# Altium PCB MainBoard.PcbDoc (part 2 of 2)
Units mm, origin at the board's own origin, x right, y up, seen from the top; angles counter-clockwise.
Board outline 160 x 80 mm, 2 copper layers (Top Layer, Bottom Layer); 152 components, 133 nets, 507 pads, 88 vias.
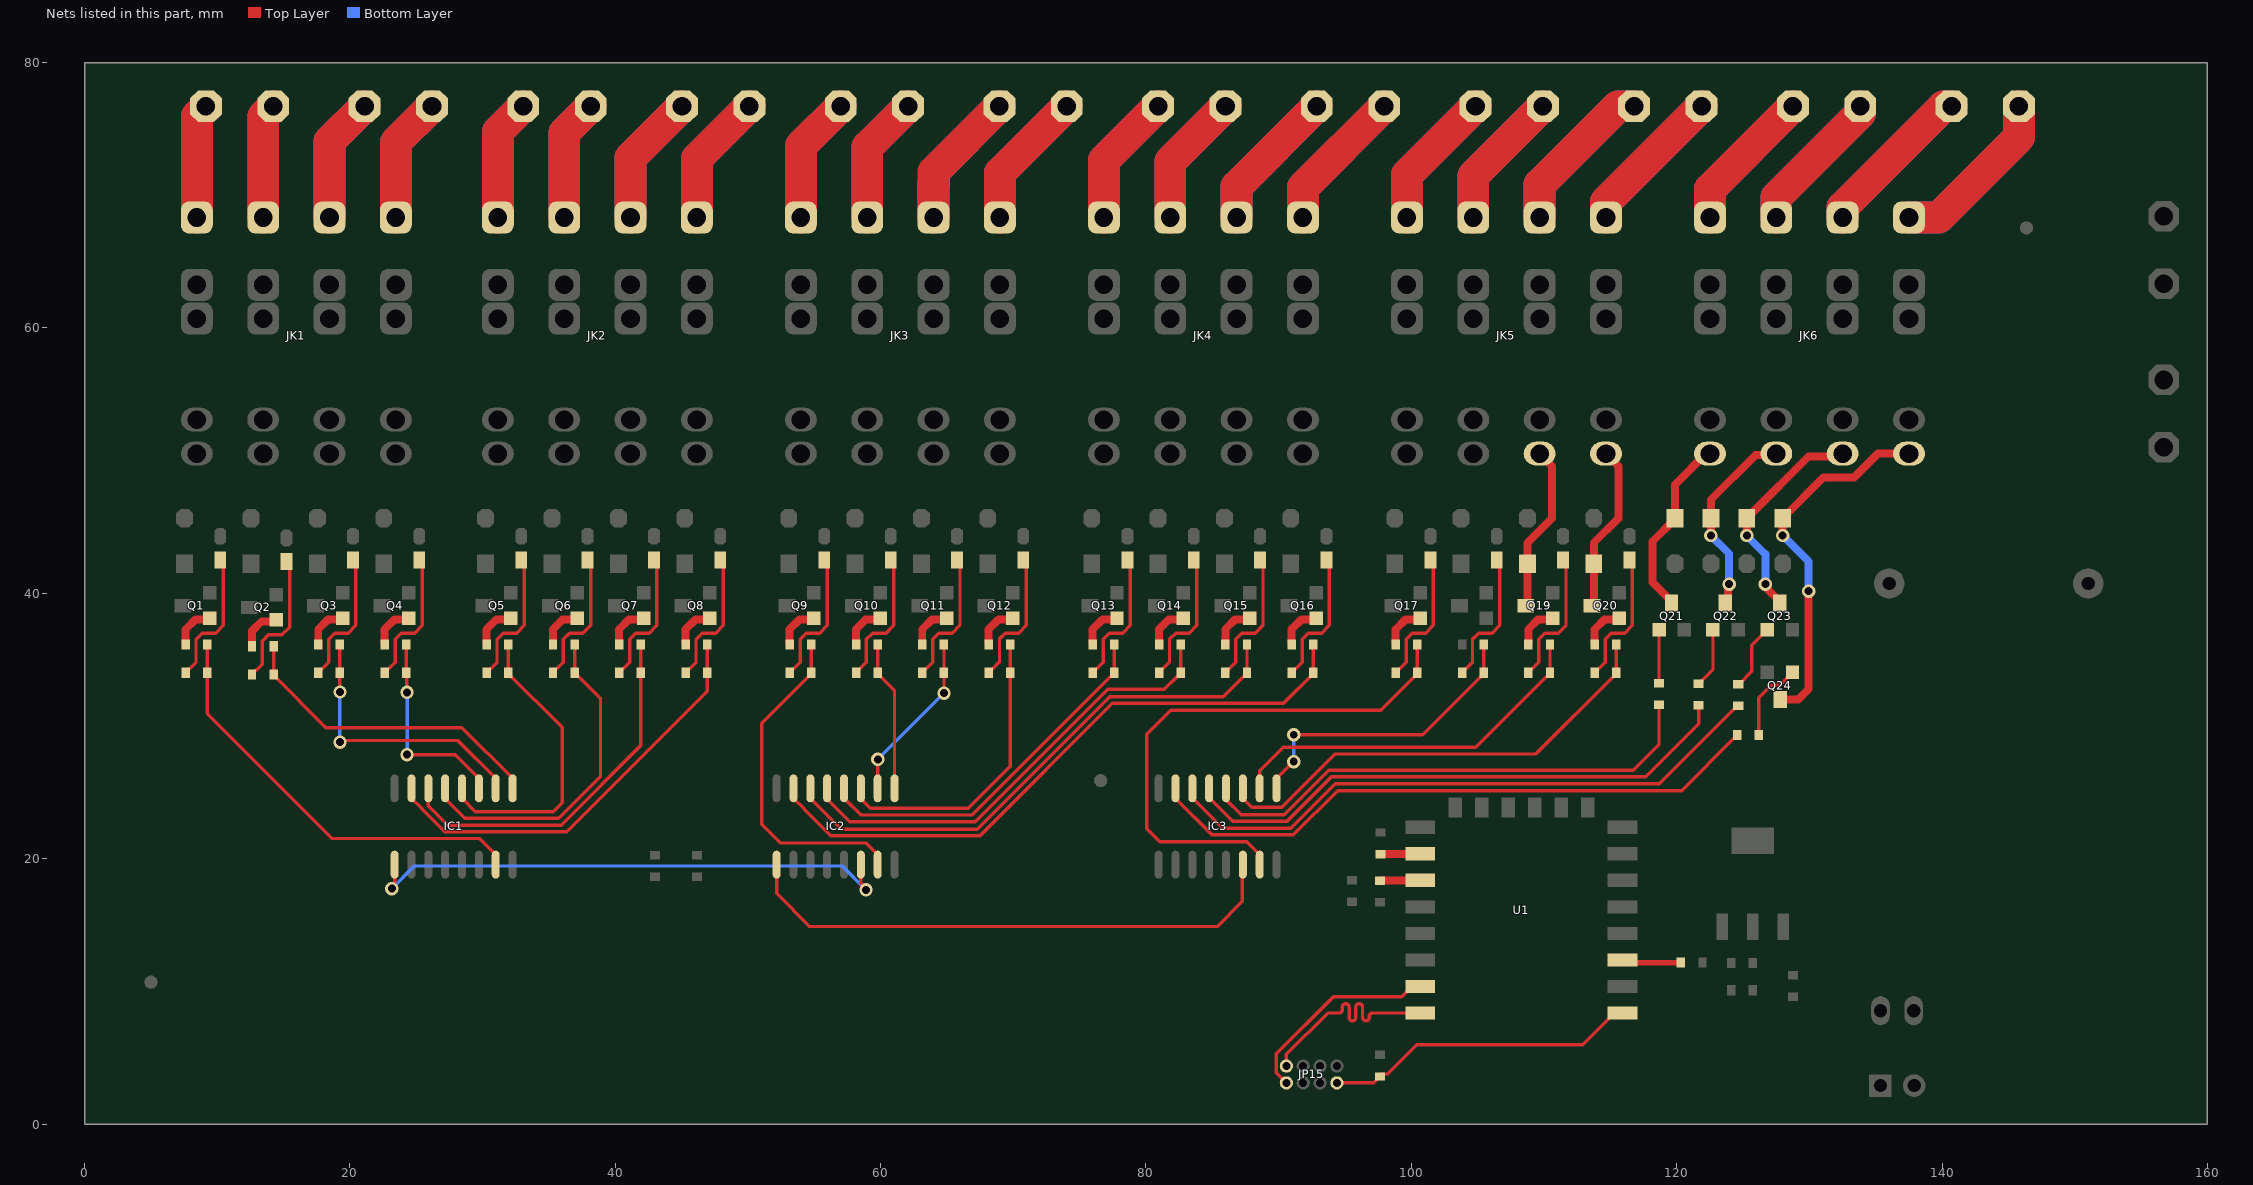
[diagram p2: the nets of this part, all layers, seen from the top]

## Via types
v1: diameter 1, hole 0.6, Top Layer to Bottom Layer, tented both sides, 68 vias
v2: diameter 1.27, hole 0.8, Top Layer to Bottom Layer, tented both sides, 17 vias
v3: diameter 3.175, hole 3.175, Top Layer to Bottom Layer, tented both sides, 2 vias
v4: diameter 2, hole 1, Top Layer to Bottom Layer, tented both sides, 1 vias

## Nets (pads, with @x,y where several pads share a name; then routed paths per layer and width w, separated by ;. In a path a pad name is that pad's centre, name@x,y a point inside that pad or via, vN(x,y) a via of type N, cw(c..) or ccw(c..) an arc to the next point about the centre after c; other vN are vias at no path point) (continued)
NetD19_1: D19.1 JK5.CN2_1 Q19.2 | length 12.2
  Top Layer w0.6: Q19.2@108.75,39.438 D19.1@108.75,42.227 108.75,43.802 110.604,45.657 110.604,49.575 JK5.CN2_1@109.668,50.511
NetD20_1: D20.1 JK5.CN1_1 Q20.2 | length 12.2
  Top Layer w0.6: Q20.2@113.75,39.438 D20.1@113.75,42.227 113.75,43.802 115.604,45.657 115.604,49.575 JK5.CN1_1@114.668,50.511
NetD21_1: D21.1 JK6.CN4_1 Q21.2 | length 13.8
  Top Layer w0.254: Q21.2@119.607,39.268 Q21.2@119.607,39.395 ; D21.1@119.863,45.593 D21.1@119.863,45.657 ; JK6.CN4_1@122.208,50.526 JK6.CN4_1@122.508,50.526
  Top Layer w0.6: Q21.2@119.607,39.395 118.159,40.843 118.159,43.89 D21.1@119.863,45.593 ; D21.1@119.863,45.657 119.863,48.181 JK6.CN4_1@122.208,50.526
NetD22_1: D22.1 JK6.CN3_1 Q22.2 | length 14.9
  Top Layer w0.6: v1(122.572,44.359) D22.1@122.572,45.657 122.572,47.045 125.958,50.431 127.413,50.431 JK6.CN3_1@127.508,50.526 ; Q22.2@123.612,39.268 123.875,39.532 123.875,40.614 v1(123.952,40.691)
  Bottom Layer w0.6: v1(122.572,44.359) 123.952,42.978 v1(123.952,40.691)
NetD23_1: D23.1 JK6.CN2_1 Q23.2 | length 16.7
  Top Layer w0.6: v1(125.281,44.359) D23.1@125.281,45.657 125.281,45.72 125.616,46.055 125.68,46.055 129.921,50.296 132.278,50.296 JK6.CN2_1@132.508,50.526 ; v1(126.677,40.691) 126.753,40.614 126.753,40.404 127.762,39.395 Q23.2@127.762,39.268
  Bottom Layer w0.6: v1@125.281,44.342 126.677,42.947 v1(126.677,40.691)
NetD24_1: D24.1 JK6.CN1_1 Q24.2 | length 27.7
  Top Layer w0.6: Q24.2@127.787,32.004 129.156,32.004 129.946,32.794 v1(129.946,40.157) ; v1(127.991,44.359) D24.1@127.991,45.657 131.051,48.717 133.353,48.717 135.161,50.526 JK6.CN1_1@137.508,50.526
  Bottom Layer w0.6: v1(127.991,44.359) 129.946,42.403 v1(129.946,40.157)
NetIC1_1: IC1.1 R8.1 R9.1 | length 24.2
  Top Layer w0.254: R8.1@14.246,36.009 R9.1@14.246,33.875 14.246,33.812 18.189,29.868 28.439,29.868 32.258,26.048 IC1.1@32.258,25.298
NetIC1_2: IC1.2 R10.1 R11.1 | length 21.8
  Top Layer w0.254: v1(19.246,28.778) 19.373,28.905 28.131,28.905 30.988,26.048 IC1.2@30.988,25.298 IC1.2@30.988,24.548 ; v1(19.246,32.564) R11.1@19.246,34.011 R10.1@19.246,36.144
  Bottom Layer w0.254: v1(19.246,28.778) v1(19.246,32.564)
NetIC1_3: IC1.3 R12.1 R13.1 | length 15.2
  Top Layer w0.254: R12.1@24.246,36.144 R13.1@24.246,34.011 24.272,33.984 24.272,32.564 v1(24.299,32.537) ; v1(24.308,27.838) 27.928,27.838 29.718,26.048 IC1.3@29.718,25.298
  Bottom Layer w0.254: v1(24.308,27.838) v1@24.308,32.537
NetIC1_4: IC1.4 R14.1 R15.1 | length 22.6
  Top Layer w0.254: IC1.4@28.448,25.298 28.448,24.548 29.451,23.546 35.322,23.546 35.992,24.216 35.992,29.887 31.932,33.947 R15.1@31.932,34.011 R14.1@31.932,36.144
NetIC1_5: IC1.5 R16.1 R17.1 | length 25
  Top Layer w0.254: IC1.5@27.178,25.298 27.178,24.517 28.657,23.038 35.723,23.038 38.887,26.202 38.887,32.055 R17.1@36.932,34.011 R16.1@36.932,36.009
NetIC1_6: IC1.6 R18.1 R19.1 | length 28
  Top Layer w0.254: IC1.6@25.908,25.298 25.908,23.978 27.357,22.53 35.934,22.53 41.932,28.528 R19.1@41.932,34.011 R18.1@41.932,36.144
NetIC1_7: IC1.7 R20.1 R21.1 | length 32
  Top Layer w0.254: IC1.7@24.638,25.298 24.638,24.548 25.4,23.786 25.4,23.768 27.146,22.022 36.347,22.022 46.932,32.606 R21.1@46.932,34.011 R20.1@46.932,36.144
NetIC1_9: IC1.9 IC2.14 | length 40.7
  Top Layer w0.254: v1@23.368,18.05 IC1.9@23.368,19.548 ; IC2.14@58.509,19.548 58.509,18.146 58.894,17.762 v1(58.894,17.653)
  Bottom Layer w0.254: v1(23.156,17.74) 24.861,19.446 57.101,19.446 v1(58.894,17.653)
NetIC1_15: IC1.15 R6.1 R7.1 | length 32.1
  Top Layer w0.254: R6.1@9.246,36.144 R7.1@9.246,34.011 9.246,30.937 18.669,21.514 29.773,21.514 30.988,20.298 IC1.15@30.988,19.548
NetIC2_1: IC2.1 R24.1 R25.1 | length 11.4
  Top Layer w0.254: R24.1@59.772,36.144 R25.1@59.772,34.011 59.772,33.947 61.049,32.67 IC2.1@61.049,25.298
NetIC2_2: IC2.2 R26.1 R27.1 | length 12.9
  Top Layer w0.254: IC2.2@59.779,25.298 59.785,25.305 59.785,27.476 v1(59.792,27.483) ; v1(64.772,32.474) R27.1@64.772,34.011 R26.1@64.772,36.144
  Bottom Layer w0.254: v1(59.792,27.483) 59.792,27.494 v1(64.772,32.474)
NetIC2_3: IC2.3 R28.1 R29.1 | length 22.8
  Top Layer w0.254: IC2.3@58.509,25.298 58.509,24.524 59.233,23.8 66.599,23.8 69.772,26.973 R29.1@69.772,34.011 R28.1@69.772,36.144
NetIC2_4: IC2.4 R30.1 R31.1 | length 28.3
  Top Layer w0.254: IC2.4@57.239,25.298 57.239,24.548 58.495,23.292 66.893,23.292 77.358,33.757 77.421,33.757 77.612,33.947 R31.1@77.612,34.011 R30.1@77.612,36.144
NetIC2_5: IC2.5 R32.1 R33.1 | length 35
  Top Layer w0.254: IC2.5@55.969,25.298 55.969,24.493 57.679,22.784 67.118,22.784 77.1,32.766 81.384,32.766 82.375,33.757 82.421,33.757 82.612,33.947 R33.1@82.612,34.011 R32.1@82.612,36.144
NetIC2_6: IC2.6 R34.1 R35.1 | length 41.7
  Top Layer w0.254: IC2.6@54.699,25.298 54.699,24.548 57.022,22.225 67.277,22.225 77.26,32.207 85.808,32.207 87.358,33.757 87.421,33.757 87.612,33.947 R35.1@87.612,34.011 R34.1@87.612,36.144
NetIC2_7: IC2.7 R36.1 R37.1 | length 48.4
  Top Layer w0.254: IC2.7@53.429,25.298 53.429,24.548 54.224,23.753 54.224,23.735 56.242,21.717 67.488,21.717 77.47,31.699 90.364,31.699 92.612,33.947 R37.1@92.612,33.986 ; R37.1@92.612,34.011 R36.1@92.612,36.144
NetIC2_9: IC2.9 IC3.14 | length 41.9
  Top Layer w0.254: IC2.9@52.159,19.548 52.159,17.386 54.661,14.884 85.357,14.884 87.249,16.776 87.249,19.498 IC3.14@87.3,19.548
NetIC2_15: IC2.15 R22.1 R23.1 | length 25.5
  Top Layer w0.254: R22.1@54.772,36.144 R23.1@54.772,34.011 54.772,33.947 51.029,30.204 51.029,22.598 52.443,21.184 58.894,21.184 59.779,20.298 IC2.15@59.779,19.548
NetIC3_1: IC3.1 R40.1 R41.1 | length 22.9
  Top Layer w0.254: IC3.1@89.84,25.298 89.84,26.048 91.096,27.305 v1(91.135,27.305) ; v1(91.135,29.337) 100.841,29.337 R41.1@105.452,33.947 ; R41.1@105.452,34.011 R41.1@105.452,33.947 ; R40.1@105.452,36.009 R41.1@105.452,33.947
  Bottom Layer w0.254: v1(91.135,27.305) v1(91.135,29.337)
NetIC3_2: IC3.2 R42.1 R43.1 | length 28.4
  Top Layer w0.254: IC3.2@88.57,25.298 88.57,26.619 90.348,28.397 104.838,28.397 110.198,33.757 110.261,33.757 110.452,33.947 R43.1@110.452,34.011 R42.1@110.452,36.144
NetIC3_3: IC3.3 R44.1 R45.1 | length 35.6
  Top Layer w0.254: IC3.3@87.3,25.298 87.3,24.548 87.981,23.867 90.249,23.867 94.27,27.889 109.394,27.889 115.452,33.947 R45.1@115.452,34.011 R44.1@115.452,36.144
NetIC3_4: IC3.4 R46.1 | length 39.1
  Top Layer w0.254: IC3.4@86.03,25.298 86.03,24.455 87.167,23.317 90.417,23.317 93.771,26.672 116.715,26.672 118.667,28.624 R46.1@118.667,31.598
NetIC3_5: IC3.5 R48.1 | length 42.8
  Top Layer w0.254: IC3.5@84.76,25.298 84.76,24.582 86.533,22.809 90.627,22.809 93.982,26.164 117.655,26.164 121.655,30.164 R48.1@121.655,31.572
NetIC3_6: IC3.6 R50.1 | length 46.6
  Top Layer w0.254: IC3.6@83.49,25.298 83.49,24.582 85.771,22.301 90.899,22.301 94.254,25.656 118.7,25.656 124.578,31.534 R50.1@124.642,31.534
NetIC3_7: IC3.7 R52.1 | length 47.4
  Top Layer w0.254: IC3.7@82.22,25.298 82.22,24.548 84.975,21.793 91.11,21.793 94.437,25.121 120.374,25.121 124.311,29.058 124.375,29.058 124.565,29.248 R52.1@124.565,29.312
NetIC3_15: IC3.15 R38.1 R39.1 | length 41.7
  Top Layer w0.254: IC3.15@88.57,19.548 88.57,20.298 87.583,21.285 81.033,21.285 80.061,22.257 80.061,29.388 81.864,31.191 97.696,31.191 100.452,33.947 R39.1@100.452,34.011 R38.1@100.452,36.144
NetJK1_CN1_3: JK1.CN1_3 JP4.1 | length 19
  Top Layer w2.4: JK1.CN1_3@23.462,68.326 23.462,73.985 JP4.1@26.185,76.708
  Bottom Layer w2.4: JK1.CN1_3@23.462,68.326 23.462,73.985 JP4.1@26.185,76.708
NetJK1_CN2_3: JK1.CN2_3 JP4.2 | length 19
  Top Layer w2.4: JK1.CN2_3@18.462,68.326 18.462,74.065 JP4.2@21.105,76.708
  Bottom Layer w2.4: JK1.CN2_3@18.462,68.326 18.462,74.065 JP4.2@21.105,76.708
NetJK1_CN3_3: JK1.CN3_3 JP3.1 | length 17.4
  Top Layer w2.4: JK1.CN3_3@13.462,68.326 13.462,75.946 JP3.1@14.224,76.708
  Bottom Layer w2.4: JK1.CN3_3@13.462,68.326 13.462,75.946 JP3.1@14.224,76.708
NetJK1_CN4_3: JK1.CN4_3 JP3.2 | length 17.2
  Top Layer w2: JP3.2@9.144,76.627 JP3.2@9.144,76.708
  Top Layer w2.4: JK1.CN4_3@8.462,68.326 8.462,75.945 JP3.2@9.144,76.627
  Bottom Layer w2.4: JK1.CN4_3@8.462,68.326 8.462,75.945 JP3.2@9.144,76.627
NetJK2_CN1_3: JK2.CN1_3 JP6.1 | length 20
  Top Layer w2.4: JK2.CN1_3@46.148,68.326 46.148,72.749 JP6.1@50.107,76.708
  Bottom Layer w2.4: JK2.CN1_3@46.148,68.326 46.148,72.749 JP6.1@50.107,76.708
NetJK2_CN2_3: JK2.CN2_3 JP6.2 | length 20
  Top Layer w2.4: JK2.CN2_3@41.148,68.326 41.148,72.829 JP6.2@45.027,76.708
  Bottom Layer w2.4: JK2.CN2_3@41.148,68.326 41.148,72.829 JP6.2@45.027,76.708
NetJK2_CN3_3: JK2.CN3_3 JP5.1 | length 18.4
  Top Layer w2.4: JK2.CN3_3@36.148,68.326 36.148,74.71 JP5.1@38.146,76.708
  Bottom Layer w2.4: JK2.CN3_3@36.148,68.326 36.148,74.71 JP5.1@38.146,76.708
NetJK2_CN4_3: JK2.CN4_3 JP5.2 | length 18.4
  Top Layer w2.4: JK2.CN4_3@31.148,68.326 31.148,74.79 JP5.2@33.066,76.708
  Bottom Layer w2.4: JK2.CN4_3@31.148,68.326 31.148,74.79 JP5.2@33.066,76.708
NetJK3_CN1_3: JK3.CN1_3 JP8.1 | length 20.9
  Top Layer w2.4: JK3.CN1_3@68.988,68.326 68.988,71.667 JP8.1@74.029,76.708
  Bottom Layer w2.4: JK3.CN1_3@68.988,68.326 68.988,71.667 JP8.1@74.029,76.708
NetJK3_CN2_3: JK3.CN2_3 JP8.2 | length 20.9
  Top Layer w2.4: JK3.CN2_3@63.988,68.326 63.988,71.747 JP8.2@68.949,76.708
  Bottom Layer w2.4: JK3.CN2_3@63.988,68.326 63.988,70.921 64.016,70.949 64.016,71.775 JP8.2@68.949,76.708
NetJK3_CN3_3: JK3.CN3_3 JP7.1 | length 19.3
  Top Layer w2.4: JK3.CN3_3@58.988,68.326 58.988,73.628 JP7.1@62.068,76.708
  Bottom Layer w2.4: JK3.CN3_3@58.988,68.326 58.988,73.628 JP7.1@62.068,76.708
NetJK3_CN4_3: JK3.CN4_3 JP7.2 | length 19.2
  Top Layer w2.4: JK3.CN4_3@53.988,68.326 53.988,73.708 JP7.2@56.988,76.708
  Bottom Layer w2.4: JK3.CN4_3@53.988,68.326 53.988,73.708 JP7.2@56.988,76.708
NetJK4_CN1_3: JK4.CN1_3 JP10.1 | length 21.8
  Top Layer w2.4: JK4.CN1_3@91.828,68.326 91.828,70.584 JP10.1@97.952,76.708
  Bottom Layer w2.4: JK4.CN1_3@91.828,68.326 91.828,70.584 JP10.1@97.952,76.708
NetJK4_CN2_3: JK4.CN2_3 JP10.2 | length 21.8
  Top Layer w2.4: JK4.CN2_3@86.828,68.326 86.828,70.664 JP10.2@92.872,76.708
  Bottom Layer w2.4: JK4.CN2_3@86.828,68.326 86.828,70.664 JP10.2@92.872,76.708
NetJK4_CN3_3: JK4.CN3_3 JP9.1 | length 20.2
  Top Layer w2.4: JK4.CN3_3@81.828,68.326 81.828,72.545 JP9.1@85.991,76.708
  Bottom Layer w2.4: JK4.CN3_3@81.828,68.326 81.828,72.545 JP9.1@85.991,76.708
NetJK4_CN4_3: JK4.CN4_3 JP9.2 | length 20.1
  Top Layer w2.4: JK4.CN4_3@76.828,68.326 76.828,72.625 JP9.2@80.911,76.708
  Bottom Layer w2.4: JK4.CN4_3@76.828,68.326 76.828,72.625 JP9.2@80.911,76.708
NetJK5_CN1_3: JK5.CN1_3 JP12.1 | length 22.7
  Top Layer w2.4: JK5.CN1_3@114.668,68.326 114.668,69.502 JP12.1@121.874,76.708
  Bottom Layer w2.4: JK5.CN1_3@114.668,68.326 114.668,69.502 JP12.1@121.874,76.708
NetJK5_CN2_3: JK5.CN2_3 JP12.2 | length 24.1
  Top Layer w2.4: JK5.CN2_3@109.668,68.326 109.668,70.806 115.57,76.708 JP12.2@116.794,76.708
  Bottom Layer w2.4: JK5.CN2_3@109.668,68.326 109.668,70.806 115.57,76.708 JP12.2@116.794,76.708
NetJK5_CN3_3: JK5.CN3_3 JP11.1 | length 21.1
  Top Layer w2.4: JK5.CN3_3@104.668,68.326 104.668,71.463 JP11.1@109.913,76.708
  Bottom Layer w2.4: JK5.CN3_3@104.668,68.326 104.668,71.463 JP11.1@109.913,76.708
NetJK5_CN4_3: JK5.CN4_3 JP11.2 | length 21
  Top Layer w2.4: JK5.CN4_3@99.668,68.326 99.668,71.543 JP11.2@104.833,76.708
  Bottom Layer w2.4: JK5.CN4_3@99.668,68.326 99.668,71.543 JP11.2@104.833,76.708
NetJK6_CN1_3: JK6.CN1_3 JP14.1 | length 26.2
  Top Layer w2.4: JK6.CN1_3@137.508,68.326 139.743,68.326 145.796,74.379 JP14.1@145.796,76.708
  Bottom Layer w2.4: JK6.CN1_3@137.508,68.326 139.743,68.326 145.796,74.379 JP14.1@145.796,76.708
NetJK6_CN2_3: JK6.CN2_3 JP14.2 | length 24.3
  Top Layer w2.4: JK6.CN2_3@132.508,68.326 132.508,69.098 140.118,76.708 JP14.2@140.716,76.708
  Bottom Layer w2.4: JK6.CN2_3@132.508,68.326 132.508,69.098 140.118,76.708 JP14.2@140.716,76.708
NetJK6_CN3_3: JK6.CN3_3 JP13.1 | length 22
  Top Layer w2.4: JK6.CN3_3@127.508,68.326 127.508,69.85 133.835,76.177 JP13.1@133.835,76.708
  Bottom Layer w2.4: JK6.CN3_3@127.508,68.326 127.508,69.85 133.835,76.177 JP13.1@133.835,76.708
NetJK6_CN4_3: JK6.CN4_3 JP13.2 | length 21.9
  Top Layer w2.4: JK6.CN4_3@122.508,68.326 122.508,70.461 JP13.2@128.755,76.708
  Bottom Layer w2.4: JK6.CN4_3@122.508,68.326 122.508,70.461 JP13.2@128.755,76.708
NetLED1_1: LED1.1 R7.2 | length 10.7
  Top Layer w0.254: R7.2@7.62,34.011 7.62,34.074 7.81,34.265 7.874,34.265 8.402,34.793 8.402,36.538 8.863,36.999 9.877,36.999 10.452,37.574 10.452,42.393 LED1.1@10.236,42.609
  Top Layer w0.508: LED1.1@10.23,42.329 LED1.1@10.23,42.52
NetLED2_1: LED2.1 R9.2 | length 9.8
  Top Layer w0.254: R9.2@12.874,34.129 13.402,34.657 13.402,36.402 13.863,36.863 14.877,36.863 15.452,37.438 LED2.1@15.452,42.257
NetLED3_1: LED3.1 R11.2 | length 9.8
  Top Layer w0.254: R11.2@17.874,34.265 18.402,34.793 18.402,36.538 18.863,36.999 19.877,36.999 20.452,37.574 LED3.1@20.452,42.393
NetLED4_1: LED4.1 R13.2 | length 9.8
  Top Layer w0.254: R13.2@22.874,34.265 23.402,34.793 23.402,36.538 23.863,36.999 24.877,36.999 25.452,37.574 LED4.1@25.452,42.393
NetLED5_1: LED5.1 R15.2 | length 9.8
  Top Layer w0.254: R15.2@30.56,34.265 31.088,34.793 31.088,36.538 31.549,36.999 32.563,36.999 33.138,37.574 LED5.1@33.138,42.393
NetLED6_1: LED6.1 R17.2 | length 9.8
  Top Layer w0.254: R17.2@35.56,34.265 36.088,34.793 36.088,36.538 36.549,36.999 37.563,36.999 38.138,37.574 LED6.1@38.138,42.393
NetLED7_1: LED7.1 R19.2 | length 9.8
  Top Layer w0.254: R19.2@40.56,34.265 41.088,34.793 41.088,36.538 41.549,36.999 42.563,36.999 43.138,37.574 LED7.1@43.138,42.393
NetLED8_1: LED8.1 R21.2 | length 9.8
  Top Layer w0.254: R21.2@45.56,34.265 46.088,34.793 46.088,36.538 46.549,36.999 47.563,36.999 48.138,37.574 LED8.1@48.138,42.393
NetLED9_1: LED9.1 R23.2 | length 9.8
  Top Layer w0.254: R23.2@53.4,34.265 53.928,34.793 53.928,36.538 54.389,36.999 55.403,36.999 55.978,37.574 LED9.1@55.978,42.393
NetLED10_1: LED10.1 R25.2 | length 9.8
  Top Layer w0.254: R25.2@58.4,34.265 58.928,34.793 58.928,36.538 59.389,36.999 60.403,36.999 60.978,37.574 LED10.1@60.978,42.393
NetLED11_1: LED11.1 R27.2 | length 9.8
  Top Layer w0.254: R27.2@63.4,34.265 63.928,34.793 63.928,36.538 64.389,36.999 65.403,36.999 65.978,37.574 LED11.1@65.978,42.393
NetLED12_1: LED12.1 R29.2 | length 9.8
  Top Layer w0.254: R29.2@68.4,34.265 68.959,34.823 68.959,36.569 69.389,36.999 70.403,36.999 70.978,37.574 LED12.1@70.978,42.393
NetLED13_1: LED13.1 R31.2 | length 9.8
  Top Layer w0.254: R31.2@76.24,34.265 76.768,34.793 76.768,36.538 77.229,36.999 78.243,36.999 78.818,37.574 LED13.1@78.818,42.393
NetLED14_1: LED14.1 R33.2 | length 9.8
  Top Layer w0.254: R33.2@81.24,34.265 81.768,34.793 81.768,36.538 82.229,36.999 83.243,36.999 83.818,37.574 LED14.1@83.818,42.393
NetLED15_1: LED15.1 R35.2 | length 9.8
  Top Layer w0.254: R35.2@86.24,34.265 86.768,34.793 86.768,36.538 87.229,36.999 88.243,36.999 88.818,37.574 LED15.1@88.818,42.393
NetLED16_1: LED16.1 R37.2 | length 9.8
  Top Layer w0.254: R37.2@91.24,34.265 91.768,34.793 91.768,36.538 92.229,36.999 93.243,36.999 93.818,37.574 LED16.1@93.818,42.393
NetLED17_1: LED17.1 R39.2 | length 9.8
  Top Layer w0.254: R39.2@99.08,34.265 99.608,34.793 99.608,36.538 100.069,36.999 101.083,36.999 101.658,37.574 LED17.1@101.658,42.393
NetLED18_1: LED18.1 R41.2 | length 9.8
  Top Layer w0.254: R41.2@104.08,34.265 104.608,34.793 104.608,36.538 105.069,36.999 106.083,36.999 106.658,37.574 LED18.1@106.658,42.393
NetLED19_1: LED19.1 R43.2 | length 9.8
  Top Layer w0.254: R43.2@109.08,34.265 109.608,34.793 109.608,36.538 110.069,36.999 111.083,36.999 111.658,37.574 LED19.1@111.658,42.393
NetLED20_1: LED20.1 R45.2 | length 9.8
  Top Layer w0.254: R45.2@114.08,34.265 114.608,34.793 114.608,36.538 115.069,36.999 116.083,36.999 116.658,37.574 LED20.1@116.658,42.393
NetQ1_1: Q1.1 R6.2 | length 3.3
  Top Layer w0.6: R6.2@7.62,36.144 7.62,37.287 8.358,38.026 9.349,38.026 Q1.1@9.449,38.125
NetQ2_1: Q2.1 R8.2 | length 3.2
  Top Layer w0.6: R8.2@12.62,36.009 12.62,37.152 13.358,37.89 Q2.1@14.349,37.89
NetQ3_1: Q3.1 R10.2 | length 3.2
  Top Layer w0.6: R10.2@17.611,36.144 17.611,37.287 18.349,38.026 Q3.1@19.34,38.026
NetQ4_1: Q4.1 R12.2 | length 3.2
  Top Layer w0.6: R12.2@22.611,36.144 22.611,37.287 23.349,38.026 Q4.1@24.34,38.026
NetQ5_1: Q5.1 R14.2 | length 3.2
  Top Layer w0.6: R14.2@30.297,36.144 30.297,37.287 31.035,38.026 Q5.1@32.026,38.026
NetQ6_1: Q6.1 R16.2 | length 3.2
  Top Layer w0.6: R16.2@35.297,36.144 35.297,37.287 36.035,38.026 Q6.1@37.026,38.026
NetQ7_1: Q7.1 R18.2 | length 3.2
  Top Layer w0.6: R18.2@40.297,36.144 40.297,37.287 41.035,38.026 Q7.1@42.026,38.026
NetQ8_1: Q8.1 R20.2 | length 3.2
  Top Layer w0.6: R20.2@45.297,36.144 45.297,37.287 46.035,38.026 Q8.1@47.026,38.026
NetQ9_1: Q9.1 R22.2 | length 3.2
  Top Layer w0.6: R22.2@53.137,36.144 53.137,37.287 53.875,38.026 Q9.1@54.866,38.026
NetQ10_1: Q10.1 R24.2 | length 3.2
  Top Layer w0.6: R24.2@58.137,36.144 58.137,37.287 58.875,38.026 Q10.1@59.866,38.026
NetQ11_1: Q11.1 R26.2 | length 3.2
  Top Layer w0.6: R26.2@63.137,36.144 63.137,37.287 63.875,38.026 Q11.1@64.866,38.026
NetQ12_1: Q12.1 R28.2 | length 3.2
  Top Layer w0.6: R28.2@68.137,36.144 68.137,37.287 68.875,38.026 Q12.1@69.866,38.026
NetQ13_1: Q13.1 R30.2 | length 3.2
  Top Layer w0.6: R30.2@75.977,36.144 75.977,37.287 76.715,38.026 Q13.1@77.706,38.026
NetQ14_1: Q14.1 R32.2 | length 3.2
  Top Layer w0.6: R32.2@80.977,36.144 80.977,37.287 81.715,38.026 Q14.1@82.706,38.026
NetQ15_1: Q15.1 R34.2 | length 3.2
  Top Layer w0.6: R34.2@85.977,36.144 85.977,37.287 86.715,38.026 Q15.1@87.706,38.026
NetQ16_1: Q16.1 R36.2 | length 3.2
  Top Layer w0.6: R36.2@90.977,36.144 90.977,37.287 91.715,38.026 Q16.1@92.706,38.026
NetQ17_1: Q17.1 R38.2 | length 3.2
  Top Layer w0.6: R38.2@98.817,36.144 98.817,37.287 99.555,38.026 Q17.1@100.546,38.026
NetQ19_1: Q19.1 R42.2 | length 3.2
  Top Layer w0.6: R42.2@108.817,36.144 108.817,37.287 109.555,38.026 Q19.1@110.546,38.026
NetQ20_1: Q20.1 R44.2 | length 3.2
  Top Layer w0.6: R44.2@113.817,36.144 113.817,37.287 114.555,38.026 Q20.1@115.546,38.026
NetQ21_1: Q21.1 R46.2 | length 4
  Top Layer w0.254: R46.2@118.667,33.223 Q21.1@118.667,37.236
NetQ22_1: Q22.1 R48.2 | length 4.5
  Top Layer w0.254: R48.2@121.677,33.198 121.741,33.198 121.931,33.388 121.931,33.452 122.733,34.253 Q22.1@122.733,37.236
NetQ23_1: Q23.1 R50.2 | length 5
  Top Layer w0.254: R50.2@124.642,33.16 124.705,33.16 125.668,34.123 125.668,36.083 Q23.1@126.822,37.236
NetQ24_1: Q24.1 R52.2 | length 6.1
  Top Layer w0.254: R52.2@126.191,29.312 126.191,32.132 127.13,33.071 127.762,33.071 Q24.1@128.727,34.036
NetR1_1: R1.1 U1.16 | length 3
  Top Layer w0.6: R1.1@97.688,20.345 U1.16@100.658,20.345
NetR2_1: R2.1 U1.17 | length 3
  Top Layer w0.6: R2.1@97.688,18.339 U1.17@100.651,18.339
NetR4_2: R4.2 U1.3 | length 4.5
  Top Layer w0.254: U1.3@115.926,12.363 U1.3@116.127,12.162
  Top Layer w0.4: U1.3@116.127,12.162 R4.2@120.32,12.162
RST: JP15.8 R5.1 U1.1 | length 23.7
  Top Layer w0.254: JP15.8@94.39,3.099 97.155,3.099 97.384,3.327 97.384,3.391 97.574,3.581 R5.1@97.638,3.581 ; R5.1@97.638,3.632 97.777,3.772 98.209,3.772 100.406,5.969 112.906,5.969 115.301,8.363 U1.1@115.926,8.363
RxD: JP15.5 U1.21 | length 15.5
  Top Layer w0.254: JP15.5@90.58,3.099 89.818,3.861 89.818,5.286 94.132,9.601 99.289,9.601 100.051,10.363 U1.21@100.676,10.363
TxD: JP15.1 U1.22 | length 16.3
  Top Layer w0.254: JP15.1@90.58,4.369 90.58,5.261 93.682,8.363 94.417,8.363 94.544,8.363 ccw(c94.544,8.617) 94.798,8.617 94.798,8.816 cw(c95.052,8.816) 95.306,8.816 95.306,8.034 ccw(c95.56,8.034) 95.814,8.034 95.814,8.816 cw(c96.068,8.816) 96.322,8.816 96.322,8.034 ccw(c96.576,8.034) 96.83,8.034 96.83,8.109 cw(c97.084,8.109) 97.084,8.363 97.873,8.363 U1.22@100.676,8.363
pads on no net: Fudicial1. Fudicial2. Fudicial3. IC3.9 Q18.1 R40.2 U1.2 U1.4 U1.7 U1.9 U1.10 U1.11 U1.12 U1.13 U1.14
copper on no net: | length 3.2
  Top Layer w0.6: 103.817,36.144 103.817,37.287 104.555,38.026 105.546,38.026
  other v3: 4.953,5 155.047,75

## Polygon pours and split planes (outlines as drawn)
GND on Bottom Layer "GND_L02_P001" (hatched 45Degree grid 0.66 track 0.3, remove dead copper, pour order 1): 6.883,36.144 6.883,31.115 30.15,7.849 83.569,7.849 89.818,1.6 95.159,1.6 100.206,6.647 126.398,6.647 131.572,1.473 136.703,1.473 136.703,28.829 123.647,41.885 6.906,41.885

## Keep-outs
Keep-Out Layer:
  the board outline again, w0.5

## Other copper
Top Layer:
  region net 595_RCK: 46.171,14.467 46.571,14.067 46.571,14.01 45.771,14.01
  region net +5: 97.585,51.562 96.925,52.248 98.53,52.248 98.589,52.307
  region net +5: 102.585,51.562 101.925,52.248 103.53,52.248 103.589,52.307
  region net +5: 107.585,51.562 106.925,52.248 108.53,52.248 108.589,52.307
  region net +5: 112.585,51.562 111.925,52.248 113.53,52.248 113.589,52.307
  region net +5: 74.745,51.562 74.085,52.248 75.69,52.248 75.749,52.307
  region net +5: 79.745,51.562 79.085,52.248 80.69,52.248 80.749,52.307
  region net +5: 84.745,51.562 84.085,52.248 85.69,52.248 85.749,52.307
  region net +5: 89.745,51.562 89.085,52.248 90.69,52.248 90.749,52.307
  region net +5: 51.905,51.562 51.245,52.248 52.85,52.248 52.909,52.307
  region net +5: 56.905,51.562 56.245,52.248 57.85,52.248 57.909,52.307
  region net +5: 61.905,51.562 61.245,52.248 62.85,52.248 62.909,52.307
  region net +5: 66.905,51.562 66.245,52.248 67.85,52.248 67.909,52.307
  region net +5: 44.065,51.562 43.405,52.248 45.01,52.248 45.069,52.307
  region net +5: 39.065,51.562 38.405,52.248 40.01,52.248 40.069,52.307
  region net +5: 34.065,51.562 33.405,52.248 35.01,52.248 35.069,52.307
  region net +5: 29.065,51.562 28.405,52.248 30.01,52.248 30.069,52.307
  region net +5: 21.379,51.562 20.719,52.248 22.324,52.248 22.383,52.307
  region net +5: 16.379,51.562 15.719,52.248 17.324,52.248 17.383,52.307
  region net +5: 11.379,51.562 10.719,52.248 12.324,52.248 12.383,52.307
  region net 3v3: 125.917,14.097 127.991,12.023 127.991,9.703 125.73,9.703 125.73,10.465 125.305,13.859
  region net GND: 123.43,15.434 124.407,16.411 128.98,16.411 128.98,19.911 122.48,19.911 122.432,19.863 122.432,16.432
  region net 3v3: 118.44,22.336 119.983,20.336 124.435,20.336 124.394,22.336
  region net +5: 134.643,12.677 137.287,14.049 137.287,10.042
  region net +5: 137.208,52.186 137.472,52.45 139.827,52.45 139.827,53.594 140.061,53.722 137.208,53.986
  region net +5: 7.939,53.958 7.969,53.928 7.969,52.207 137.787,52.207 137.808,52.186 137.808,53.986
  region net AC_L: 157.851,62.239 155.119,59.506 137.508,59.506 137.508,64.446 137.525,64.429 151.112,64.429 155.905,69.222
  region net AC_L: 7.862,64.446 7.862,59.506 138.108,59.506 138.108,64.446
  region net AC_L: 7.862,64.446 7.862,59.506 138.108,59.506 138.108,64.446
  region net AC_N: 155.568,50.997 155.568,56.077 157.868,56.077 157.868,50.997
  region net AC_L: 155.568,63.329 155.568,68.409 157.868,68.409 157.868,63.329
Bottom Layer:
  region net GND: 93.12,6.868 94.294,5.694 93.12,5.694
  region net AC_L: 150.495,54.529 146.26,59.506 155.119,59.506
  region net AC_L: 157.851,62.239 155.119,59.506 137.508,59.506 137.508,64.446 137.525,64.429 151.112,64.429 155.905,69.222
  region net AC_L: 7.862,64.446 7.862,59.506 138.108,59.506 138.108,64.446
  region net AC_L: 155.568,63.329 155.568,68.409 157.868,68.409 157.868,63.329

## Silkscreen, mask and mechanical layers (free items; w line width, h text height)
Top Overlay:
  lines w0.254: 81.458,4.826 85.065,4.826 ; 82.198,7.899 85.805,7.899 ; 145.669,1.638 145.669,4.407 ; 133.975,1.702 133.975,4.089 139.131,4.089 139.131,1.702 133.975,1.702 ; 140.665,1.638 140.665,4.407 150.52,4.407 150.52,1.638 140.665,1.638
  lines w0.4: 62.386,5.402 87.348,5.402 ; 62.386,8.341 62.386,2.464 87.381,2.464 87.381,8.509 62.386,8.509 ; 68.068,2.464 68.068,8.509 ; 73.749,2.464 73.749,8.509 ; 79.43,2.464 79.43,8.509 79.43,2.464
  text "L" at 151.34,65.229 h4 r90
  text "N" at 151.333,52.377 h4 r90
  text "Freq<10kHz" at 65.176,20.256 h2.5
  text "AM21-12W05V" at 144.78,13.462 h2 r90
  text "Flash" at 80.253,6.147 h1.4
  text "TxD" at 63.424,6.02 h1.4
  text "3v3" at 68.91,5.994 h1.4
  text "GND" at 74.571,5.969 h1.4
  text "RxD" at 63.424,3.175 h1.4
  text "3v3" at 68.91,3.175 h1.4
  text "GND" at 74.571,3.073 h1.4
  text "RST" at 81.559,2.946 h1.4
  text "+5v" at 146.279,2.324 h1.4
  text "GND" at 141.173,2.248 h1.4
Bottom Overlay:
  drawing of 2 lines, arcs and shapes, not listed
Top Solder:
  rectangle: 100.217,0 116.384,5.448
Bottom Solder:
  rectangle: 100.217,0 116.384,5.448
  lines w1: 156.718,45.306 156.733,44.711
  lines w2: 141.141,61.946 150.712,61.976

## Dimensions
160,80 to 155.047,75 on Mechanical 13
4.953,5 to 0,0 on Mechanical 13

## Text inside footprints (layer, text, board x,y; h text height)
AD1: Top Overlay "N" at 134.41,38.238 h3.5 r270; Top Overlay "L" at 148.81,38.438 h3.5 r270
JK1: Top Overlay "APAN/G6DN Socket" at 10.719,55.971 h1.5
JK2: Top Overlay "APAN/G6DN Socket" at 33.405,56.047 h1.5
JK3: Top Overlay "APAN/G6DN Socket" at 56.261,55.996 h1.5
JK4: Top Overlay "APAN/G6DN Socket" at 80.177,55.99 h1.5
JK5: Top Overlay "APAN/G6DN Socket" at 103.017,55.99 h1.5
JK6: Top Overlay "APAN/G6DN Socket" at 125.857,55.99 h1.5
U1: Mechanical 13 "ANTENNA AREA" at 116.174,0.489 h0.25 r180; Mechanical 13 "CUTOUT POLYGON" at 116.174,0.997 h0.25 r180